# KiCad board nvme Carrier for LattePanda Mu.kicad_pcb (continued)
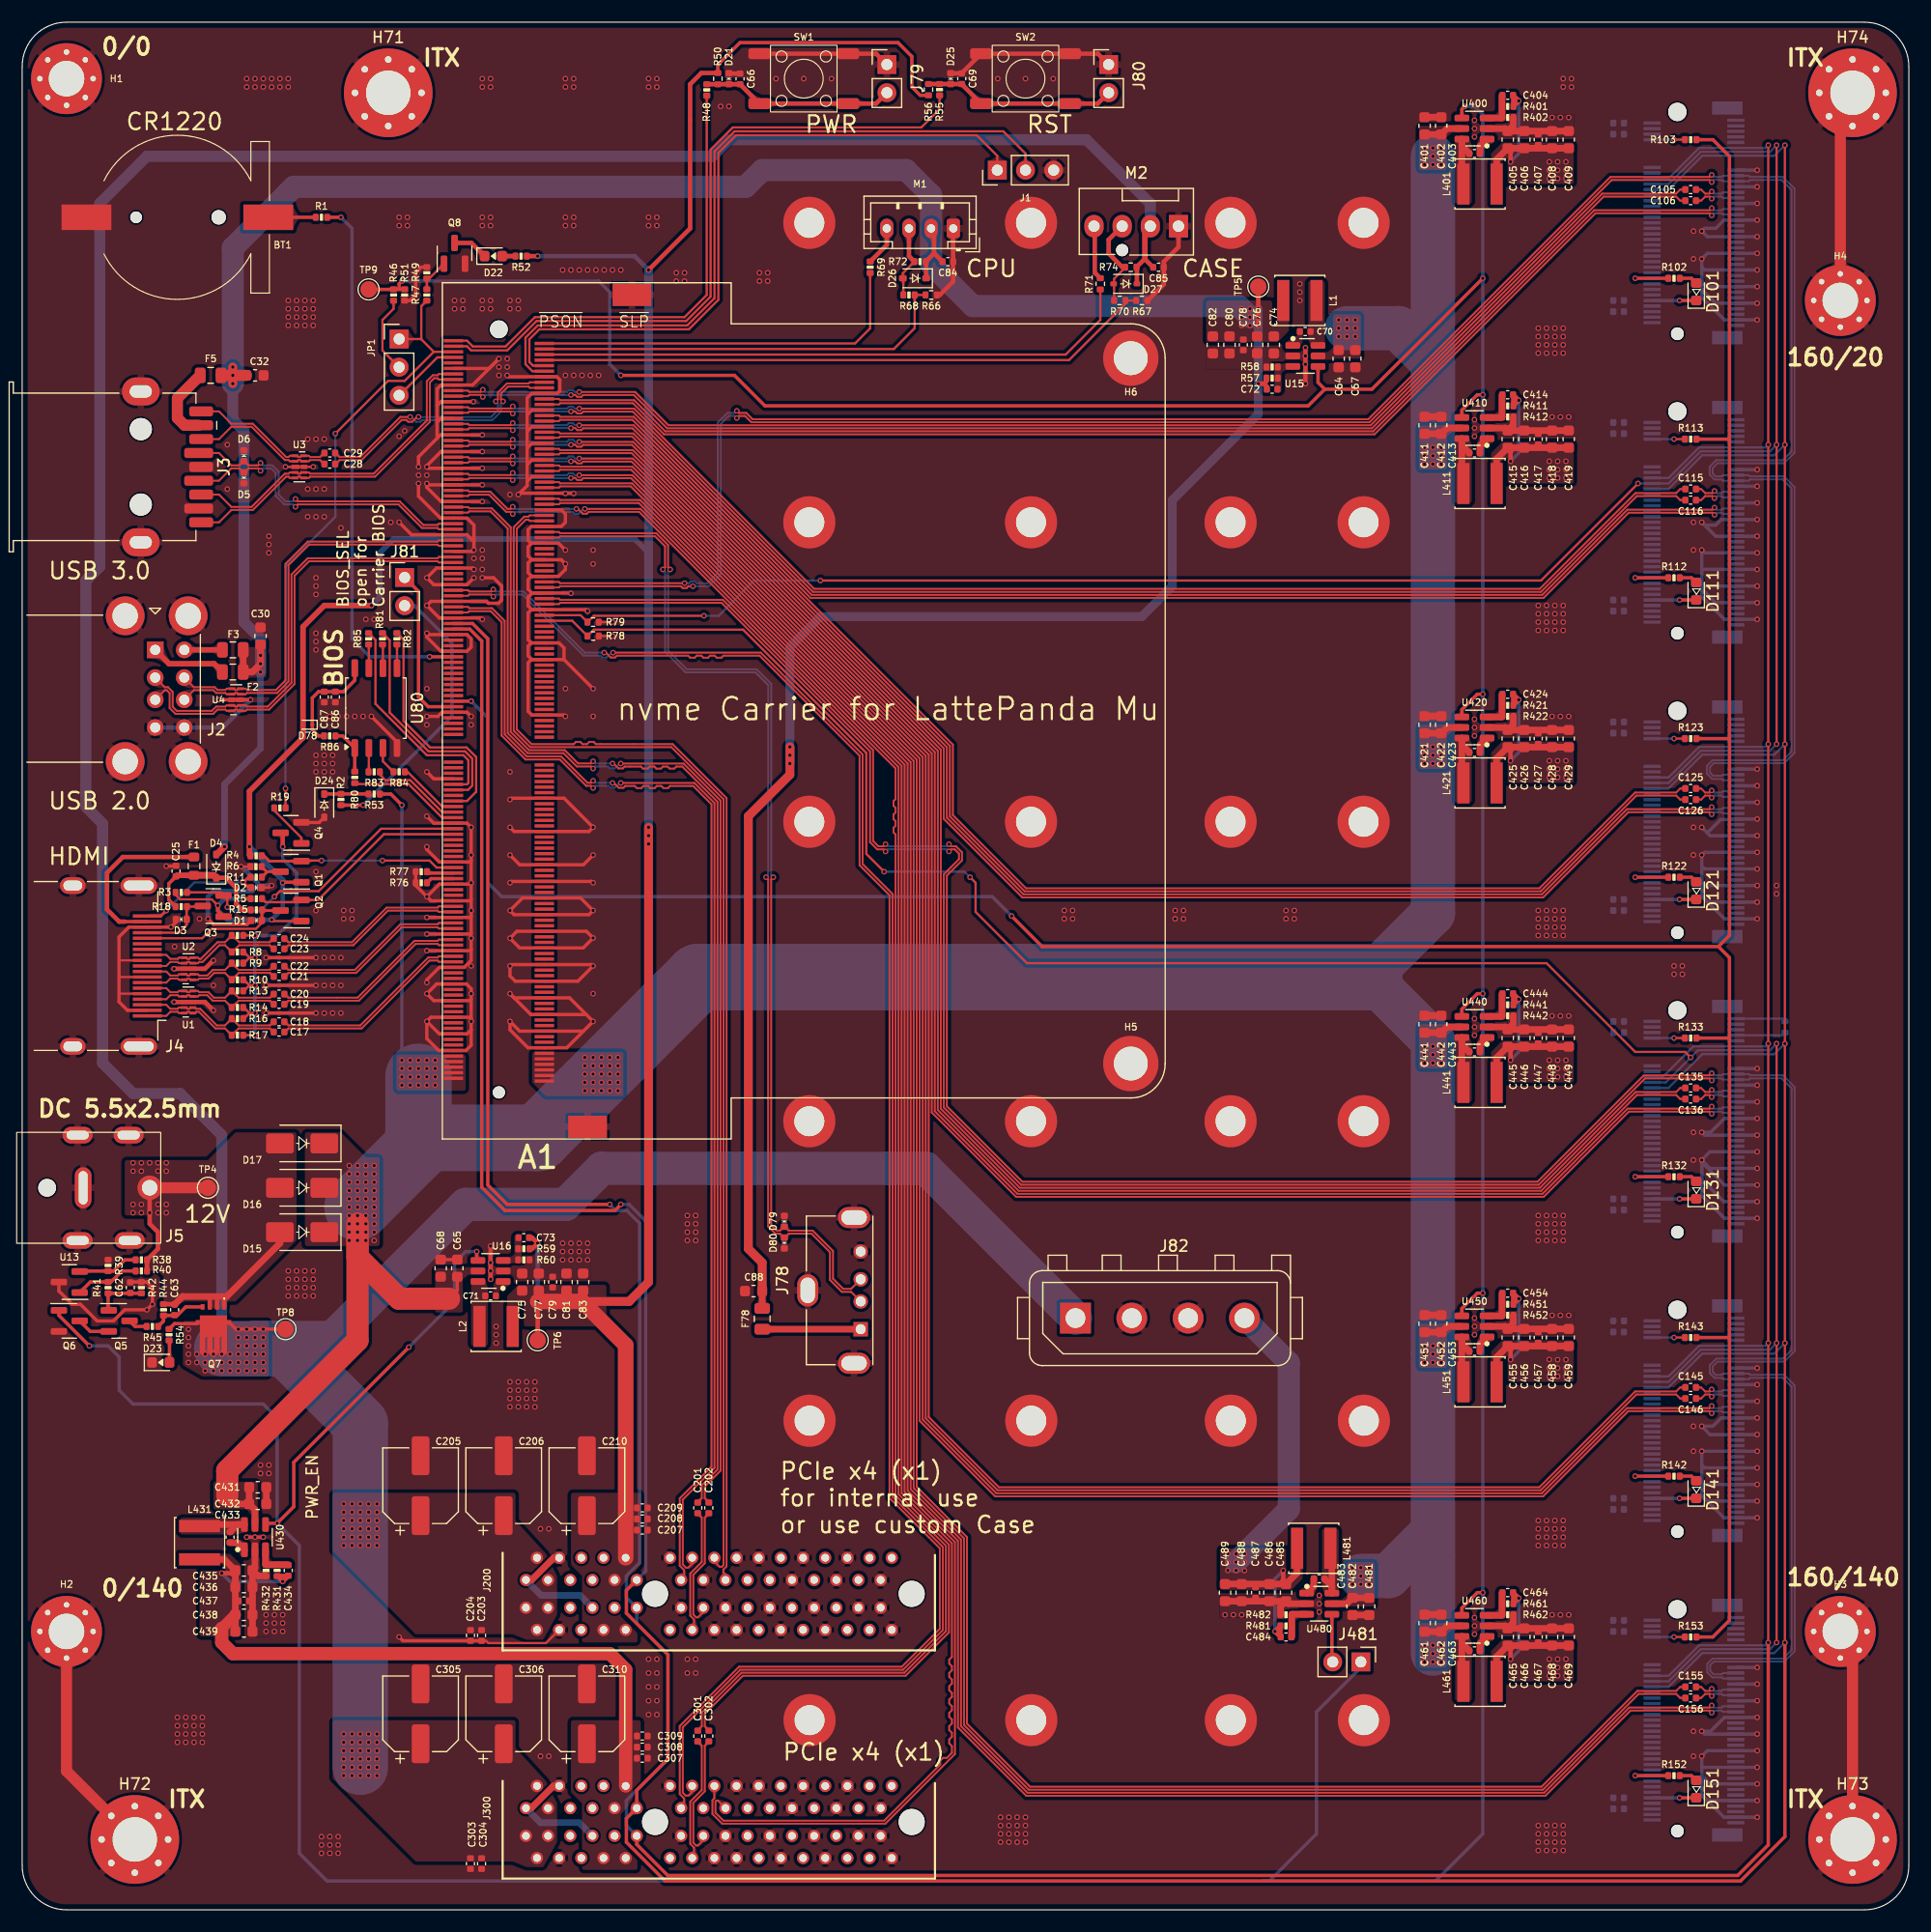
[diagram p0: board, top side]
## Placement (name value [footprint] x y rotation side) (continued)
M1  Fan_4pin  [JST_PH_B4B-PH-K_1x04_P2.00mm_Vertical]  83.99 151.6 180 top
M2  Fan_4pin  [FanPinHeader_1x04_P2.54mm_Vertical]  104.3 151.8 180 top
Q1  2N7002  [SOT-23]  24.25 93.6 180 top
Q2  2SK3018  [SOT-23]  24.25 90.1 180 top
Q3  2SK3018  [SOT-23]  17.23 90.51 180 top
Q4  2SK3018  [SOT-23]  24.25 97.1 180 top
Q5  2N7002  [SOT-23]  8.75 53.1 0 top
Q6  2N7002  [SOT-23]  4.25 53.1 0 top
Q7  NCE30P28Q  [MOSFET_PDFN8_3.3x3.3]  17.25 52.96 180 top
Q8  2N7002  [SOT-23]  39 149.35 90 top
R1  1K/1%  [R_0402_1005Metric]  27 152.6 180 top
R2  10K/1%  [R_0402_1005Metric]  28.75 100.11 90 top
R3  2.2K/1%  [R_0402_1005Metric]  14.35 91.74 0 top
R4  1M/1%  [R_0402_1005Metric]  21.1 95.03 0 top
R5  2.2K/1%  [R_0402_1005Metric]  21.12 91.17 0 top
R6  21.5K/1%  [R_0402_1005Metric]  21.09 94.06 180 top
R7  470R/1%  [R_0402_1005Metric]  19.42 87.86 0 top
R8  470R/1%  [R_0402_1005Metric]  19.42 86.36 0 top
R9  470R/1%  [R_0402_1005Metric]  19.42 85.36 0 top
R10  470R/1%  [R_0402_1005Metric]  19.42 83.86 0 top
R11  1K/1%  [R_0402_1005Metric]  21.11 93.11 180 top
R13  470R/1%  [R_0402_1005Metric]  19.42 82.86 0 top
R14  470R/1%  [R_0402_1005Metric]  19.42 81.36 0 top
R15  2.2K/1%  [R_0402_1005Metric]  21.13 90.16 0 top
R16  470R/1%  [R_0402_1005Metric]  19.42 80.36 0 top
R17  470R/1%  [R_0402_1005Metric]  19.42 78.86 0 top
R18  2.2K/1%  [R_0402_1005Metric]  14.35 90.45 0 top
R19  2.2K/1%  [R_0402_1005Metric]  23.25 99.35 180 top
R38  10K/1%  [R_0402_1005Metric]  10.75 58.6 0 top
R39  2.2K/1%  [R_0402_1005Metric]  7.75 58.1 270 top
R40  10K/1%  [R_0402_1005Metric]  10.75 57.6 0 top
R41  21.5K/1%  [R_0402_1005Metric]  7.75 56.1 90 top
R42  21.5K/1%  [R_0402_1005Metric]  10.75 56.1 270 top
R44  100K/1%  [R_0402_1005Metric]  12.75 54.1 90 top
R45  100K/1%  [R_0402_1005Metric]  11.75 52.6 0 top
R46  100R/1%  [R_0402_1005Metric]  33.5 145.6 90 top
R47  1K/1%  [R_0402_1005Metric]  36.5 145.6 90 top
R48  100R/1%  [R_0402_1005Metric]  61.75 164.09 270 top
R49  10K/1%  [R_0402_1005Metric]  36.5 147.6 270 top
R50  10K/1%  [R_0402_1005Metric]  62.75 165.1 90 top  (not fitted)
R51  100K/1%  [R_0402_1005Metric]  34.5 145.6 90 top
R52  2.2K/1%  [R_0402_1005Metric]  45 149.1 0 top
R53  2.2K/1%  [R_0402_1005Metric]  31.75 100.6 180 top
R54  21.5K/1%  [R_0402_1005Metric]  13.25 51.85 270 top
R55  100R/1%  [R_0402_1005Metric]  82.75 164.11 270 top
R56  10K/1%  [R_0402_1005Metric]  81.75 164.11 270 top  (not fitted)
R57  75K/1%  [R_0402_1005Metric]  112.75 138.1 180 top
R58  10K/1%  [R_0402_1005Metric]  112.75 139.1 0 top
R59  100K/1%  [R_0402_1005Metric]  45.25 59.6 0 top
R60  22K/1%  [R_0402_1005Metric]  45.25 58.6 180 top
R66  21.5K/1%  [R_0402_1005Metric]  81.99 145.6 0 top  (not fitted)
R67  21.5K/1%  [R_0402_1005Metric]  101 145.1 0 top
R68  21.5K/1%  [R_0402_1005Metric]  79.99 145.6 0 top
R69  100R/1%  [R_0402_1005Metric]  76.49 148.1 90 top
R70  21.5K/1%  [R_0402_1005Metric]  99 145.1 180 top
R71  100R/1%  [R_0402_1005Metric]  97.25 146.6 90 top
R72  4.7K/1%  [R_0402_1005Metric]  80.99 148.6 180 top
R74  4.7K/1%  [R_0402_1005Metric]  100 148.1 180 top
R76  100K/1%  [R_0402_1005Metric]  36 92.6 180 top
R77  100K/1%  [R_0402_1005Metric]  36 93.6 180 top
R78  10K/1%  [R_0402_1005Metric]  51.5 114.85 0 top  (not fitted)
R79  10K/1%  [R_0402_1005Metric]  51.5 116.1 0 top  (not fitted)
R80  0R  [R_0402_1005Metric]  30 102.1 90 top
R81  15R/1%  [R_0402_1005Metric]  32.5 114.6 270 top
R82  15R/1%  [R_0402_1005Metric]  33.8 114.6 270 top
R83  15R/1%  [R_0402_1005Metric]  31.75 102.6 180 top
R84  15R/1%  [R_0402_1005Metric]  34 102.6 180 top
R85  15R/1%  [R_0402_1005Metric]  31.25 114.6 270 top
R86  120K/1%  [R_0402_1005Metric]  27.74 105.84 0 top
R102  2.2K/1%  [R_0402_1005Metric]  149 147.1 180 top
R103  0R/1%  [R_0402_1005Metric]  150.5 159.6 0 top
R112  2.2K/1%  [R_0402_1005Metric]  149 120.1 180 top
R113  0R/1%  [R_0402_1005Metric]  150.5 132.6 0 top
R122  2.2K/1%  [R_0402_1005Metric]  149 93.1 180 top
R123  0R/1%  [R_0402_1005Metric]  150.5 105.6 0 top
R132  2.2K/1%  [R_0402_1005Metric]  149 66.1 180 top
R133  0R/1%  [R_0402_1005Metric]  150.5 78.6 0 top
R134  0R/1%  [R_0402_1005Metric]  159 79.6 90 bottom  (not fitted)
R142  2.2K/1%  [R_0402_1005Metric]  149 39.1 180 top
R143  0R/1%  [R_0402_1005Metric]  150.5 51.6 0 top
R152  2.2K/1%  [R_0402_1005Metric]  149 12.1 180 top
R153  0R/1%  [R_0402_1005Metric]  150.5 24.6 0 top
R401  100K/1%  [R_0402_1005Metric]  134 162.6 0 top
R402  22K/1%  [R_0402_1005Metric]  134 161.6 180 top
R411  100K/1%  [R_0402_1005Metric]  134 135.6 0 top
R412  22K/1%  [R_0402_1005Metric]  134 134.6 180 top
R421  100K/1%  [R_0402_1005Metric]  134 108.6 0 top
R422  22K/1%  [R_0402_1005Metric]  134 107.6 180 top
R431  100K/1%  [R_0402_1005Metric]  23 30.6 270 top
R432  22K/1%  [R_0402_1005Metric]  22 30.6 90 top
R441  100K/1%  [R_0402_1005Metric]  134 81.6 0 top
R442  22K/1%  [R_0402_1005Metric]  134 80.6 180 top
R451  100K/1%  [R_0402_1005Metric]  134 54.6 0 top
R452  22K/1%  [R_0402_1005Metric]  134 53.6 180 top
R461  100K/1%  [R_0402_1005Metric]  134 27.6 0 top
R462  22K/1%  [R_0402_1005Metric]  134 26.6 180 top
R481  75K/1%  [R_0402_1005Metric]  114 25.6 180 top
R482  10K/1%  [R_0402_1005Metric]  114 26.6 0 top
SW1  SW_Push  [SW_Push_6x6x6]  70.5 165.1 180 top
SW2  SW_Push  [SW_Push_6x6x6]  90.5 165.1 180 top
TP4  TestPoint  [TestPoint_Pad_D1.5mm]  16.75 65.1 0 top
TP5  TestPoint  [TestPoint_Pad_D1.5mm]  111.5 146.35 270 top
TP6  TestPoint  [TestPoint_Pad_D1.5mm]  46.5 51.35 90 top
TP8  TestPoint  [TestPoint_Pad_D1.5mm]  23.75 52.35 0 top
TP9  TestPoint  [TestPoint_Pad_D1.5mm]  31.25 146.1 0 top
U1  TPAZ1023-04F  [Diodes_UDFN-10_1.0x2.5mm_P0.5mm#2]  15 81.85 180 top
U2  TPAZ1023-04F  [Diodes_UDFN-10_1.0x2.5mm_P0.5mm#2]  15 84.85 180 top
U3  ULC0524P  [Diodes_UDFN-10_1.0x2.5mm_P0.5mm#2]  25 130.1 0 top
U4  ULC0524P  [Diodes_UDFN-10_1.0x2.5mm_P0.5mm]  19.3 109.1 180 top
U13  TL431DBZ  [SOT-23]  4.25 56.6 180 top
U15  SY8253ADC  [TSOT-23-6]  115.75 140.1 0 top
U16  SY8253ADC  [TSOT-23-6]  42.25 57.6 180 top
U80  W25Q128JVSIQ  [SOIC-8_5.23x5.23mm_P1.27mm]  31.9 108.35 90 top
U400  SY8253ADC  [TSOT-23-6]  131 160.6 180 top
U410  SY8253ADC  [TSOT-23-6]  131 133.6 180 top
U420  SY8253ADC  [TSOT-23-6]  131 106.6 180 top
U430  SY8253ADC  [TSOT-23-6]  21 33.6 90 top
U440  SY8253ADC  [TSOT-23-6]  131 79.6 180 top
U450  SY8253ADC  [TSOT-23-6]  131 52.6 180 top
U460  SY8253ADC  [TSOT-23-6]  131 25.6 180 top
U480  SY8253ADC  [TSOT-23-6]  117 27.6 0 top

## Library data of the parts
A1 = -: Datasheet: https://wmsc.lcsc.com/wmsc/upload/file/pdf/v2/lcsc/2012102315_LOTES-ADDR0069-P009A_C962126.pdf; Description: A micro computing module with x86 processer, RAM and eMMC.; Mfr.#: ADDR0069-P009A; ki_fp_filters: *LattePanda*
BT1 = -: Datasheet: https://content.harwin.com/m/8aa8c741728fa9cb/original/DRG-02355-Technical-Drawing-Datasheet-S8411R-pdf.pdf; Mfr.#: S8411-45R
C17-C25 C28 C29 C70 C71 C78 C79 C84 C85 C102 C104 C112 C114 C122 C124 C132 C134 C142 C144 C152 C154 C203 C204 C207 C209 C303 C304 C307 C309 C403 C407 C413 C417 C423 C427 C433 C437 C443 C447 C453 C457 C463 C467 C483 C487 = -: Datasheet: https://wmsc.lcsc.com/wmsc/upload/file/pdf/v2/lcsc/1809272047_Murata-Electronics-GRM155R71H104KE14D_C77020.pdf; SCH_Show_Footprint: C0402; Mfr.#: GRM155R71H104KE14D; ki_fp_filters: C_*
C30 C32 C64 C65 C67 C68 C74-C77 C80-C83 C88 C401 C402 C405 C406 C408 C409 C411 C412 C415 C416 C418 C419 C421 C422 C425 C426 C428 C429 C431 C432 C435 C436 C438 C439 C441 C442 C445 C446 C448 C449 C451 C452 C455 C456 C458 C459 C461 C462 C465 C466 C468 C469 C481 C482 C485 C486 C488 C489 = -: Datasheet: https://wmsc.lcsc.com/wmsc/upload/file/pdf/v2/lcsc/2304140030_Samsung-Electro-Mechanics-CL10A226MP8NUNE_C86295.pdf; SCH_Show_Footprint: C603; Mfr.#: CL10A226MP8NUNE; ki_fp_filters: C_*
C62 C63 C66 C69 = -: Datasheet: https://wmsc.lcsc.com/wmsc/upload/file/pdf/v2/lcsc/2304140030_Samsung-Electro-Mechanics-CL05A105KO5NNNC_C29266.pdf; SCH_Show_Footprint: C0402; Mfr.#: CL05A105KO5NNNC; ki_fp_filters: C_*
C72 C73 C404 C414 C424 C434 C444 C454 C464 C484 = -: SCH_Show_Footprint: C0402; ki_fp_filters: C_*
C86 = -: Datasheet: https://wmsc.lcsc.com/wmsc/upload/file/pdf/v2/lcsc/2309061403_Samsung-Electro-Mechanics-CL05A226MQ5QUNC_C105226.pdf; Description: Unpolarized capacitor; Mfr.#: CL05A226MQ5QUNC; ki_fp_filters: C_*
C87 = -: Datasheet: https://wmsc.lcsc.com/wmsc/upload/file/pdf/v2/lcsc/1811011928_Walsin-Tech-Corp-0402B104K160CT_C83056.pdf; Description: Unpolarized capacitor; Mfr.#: 0402B104K160CT; ki_fp_filters: C_*
C101 C103 C111 C113 C121 C123 C131 C133 C141 C143 C151 C153 C208 C308 = -: Datasheet: https://wmsc.lcsc.com/wmsc/upload/file/pdf/v2/lcsc/2312201433_Samsung-Electro-Mechanics-CL05A106MP5NUNC_C315248.pdf; SCH_Show_Footprint: C0402; Mfr.#: CL05A106MP5NUNC; ki_fp_filters: C_*
C105 C106 C115 C116 C125 C126 C135 C136 C145 C146 C155 C156 C201 C202 C301 C302 = -: Datasheet: https://wmsc.lcsc.com/wmsc/upload/file/pdf/v2/lcsc/2209081730_Murata-Electronics-GRM155R61H224KE01D_C5159775.pdf; SCH_Show_Footprint: C0402; Mfr.#: GRM155R61H224KE01D; ki_fp_filters: C_*
C205 C206 C305 C306 = -: Datasheet: https://wmsc.lcsc.com/wmsc/upload/file/pdf/v2/lcsc/2208310930_Capxon-International-Elec-PM101M025E077PTR_C2858382.pdf; SCH_Show_Footprint: C5x5.8; Mfr.#: PM101M025E077PTR; ki_fp_filters: CP_*
C210 C310 = -: Datasheet: https://my.mouser.com/datasheet/2/231/156315576075-1624351.pdf; SCH_Show_Footprint: C5x5.8; Mfr.#: VZT471M1ATR-0607; ki_fp_filters: CP_*
D1-D3 D5 D6 D21 D25 D79 D80 = -: Datasheet: https://wmsc.lcsc.com/wmsc/upload/file/pdf/v2/lcsc/2108131930_TECH-PUBLIC-ESD5V0B03-1006_C521894.pdf; SCH_Show_Footprint: D0402; Mfr.#: ESD5V0B03-1006; ki_fp_filters: D*SOD?923*
D4 D26 D27 = -: Datasheet: https://wmsc.lcsc.com/wmsc/upload/file/pdf/v2/lcsc/2204281430_Guangdong-Hottech-1N5819WS_C191023.pdf; SCH_Show_Footprint: SOD-323; ki_fp_filters: D*SOD?323*
D15-D17 = -: Datasheet: https://wmsc.lcsc.com/wmsc/upload/file/pdf/v2/lcsc/2205261600_FOSAN-SS54_C3014014.pdf; SCH_Show_Footprint: SMA; ki_fp_filters: TO-???* *_Diode_* *SingleDiode* D_*
D22 D23 D101 D111 D121 D131 D141 D151 = -: Datasheet: https://wmsc.lcsc.com/wmsc/upload/file/pdf/v2/lcsc/1912111437_Yongyu-Photoelectric-SZYY0603YG_C434423.pdf; SCH_Show_Footprint: LED0603; Mfr.#: SZYY0603YG; ki_fp_filters: LED* LED_SMD:* LED_THT:*
D24 = -: Datasheet: https://diotec.com/request/datasheet/mms3z2b4gw.pdf; Description: Schottky diode; Mfr.#: MMS3Z3B3GW; ki_fp_filters: TO-???* *_Diode_* *SingleDiode* D_*
D78 = -: Datasheet: https://wmsc.lcsc.com/wmsc/upload/file/pdf/v2/lcsc/2004100909_WILLSEMI-Will-Semicon-RB521C30-2-TR_C239637.pdf; Description: Schottky diode; Mfr.#: RB521C30-2/TR; ki_fp_filters: TO-???* *_Diode_* *SingleDiode* D_*
F1 = -: Datasheet: https://wmsc.lcsc.com/wmsc/upload/file/pdf/v2/lcsc/2401210605_LUTE-0603L050-6AR_C7472536.pdf; SCH_Show_Footprint: R0805; Mfr.#: 0603L050/6AR; ki_fp_filters: *Fuse*
F2 F3 F78 = -: Datasheet: https://wmsc.lcsc.com/wmsc/upload/file/pdf/v2/lcsc/2305121423_BHFUSE-BSMD0805-100-6V_C883112.pdf; SCH_Show_Footprint: R0603; Mfr.#: BSMD0805-100-6V; ki_fp_filters: *Fuse*
F5 = -: Datasheet: https://wmsc.lcsc.com/wmsc/upload/file/pdf/v2/lcsc/2305121425_BHFUSE-BSMD0805L-200_C2757931.pdf; SCH_Show_Footprint: R0805; Mfr.#: BSMD0805L-200; ki_fp_filters: *Fuse*
H1-H6 H71-H74 H1032 H1042 H1060 H1080 H1130 H1142 H1160 H1180 H1230 H1242 H1260 H1280 H1330 H1342 H1360 H1380 H1430 H1442 H1460 H1480 H1530 H1542 H1560 H1580 = -: ki_fp_filters: MountingHole*Pad*
J1 = -: Mfr.#: 2.54-1*3; ki_fp_filters: Connector*:*_1x??_*
J2 = -: Datasheet: https://www.mouser.de/datasheet/2/670/uj2_adh_th-1779175.pdf; Mfr.#: UJ2-ADH-W1-TH; ki_fp_filters: USB*
J3 = -: Datasheet: https://wmsc.lcsc.com/wmsc/upload/file/pdf/v2/lcsc/2306021057_Wurth-Elektronik-692122030100_C5355286.pdf; Description: USB 3.0 A connector; Mfr.#: 692122030100; ki_fp_filters: USB3*
J4 = -: Datasheet: https://www.molex.com/content/dam/molex/molex-dot-com/products/automated/en-us/salesdrawingpdf/208/208658/2086581001_sd.pdf; Mfr.#: 2086581001; ki_fp_filters: HDMI*A*
J5 = -: Datasheet: https://wmsc.lcsc.com/wmsc/upload/file/pdf/v2/lcsc/2309121405_SHOU-HAN-DC007B-2-5-J_C17701686.pdf; Mfr.#: DC007B-2.5-J; ki_fp_filters: BarrelJack*
J78 = -: Datasheet: https://www.molex.com/content/dam/molex/molex-dot-com/products/automated/en-us/salesdrawingpdf/105/105057/1050570001_sd.pdf; Description: USB Type A connector; Mfr.#: 1050570001; ki_fp_filters: USB*
J79-J81 J481 = -: Description: Generic connector, single row, 01x02, script generated; Mfr.#: 2.54-1*2; ki_fp_filters: Connector*:*_1x??_*
J82 = -: Datasheet: https://www.te.com/de/product-770997-1.datasheet.pdf; Description: Generic connector, single row, 01x04, script generated (kicad-library-utils/schlib/autogen/connector/); Mfr.#: 770997-1; ki_fp_filters: Connector*:*_1x??_*
J100 J110 J120 J130 J140 J150 = -: Datasheet: https://www.te.com/de/product-1-2199230-5.datasheet.pdf; Mfr.#: 1-2199230-5; ki_fp_filters: *M*2*M*
J200 J300 = -: Datasheet: https://wmsc.lcsc.com/wmsc/upload/file/pdf/v2/lcsc/2201121330_LOTES-AAA-PCI-161-K03_C2926855.pdf; Mfr.#: AAA-PCI-161-K03; ki_fp_filters: *PCIexpress*
JP1 = -: Mfr.#: 2.54-1*3; ki_fp_filters: Jumper* TestPoint*3Pads* TestPoint*Bridge*
L1 L2 L401 L411 L421 L431 L441 L451 L461 L481 = -: Datasheet: https://wmsc.lcsc.com/wmsc/upload/file/pdf/v2/lcsc/2310251551_Sunlord-WPN4020H2R2MT_C98361.pdf; Mfr.#: WPN4020H2R2MT; ki_fp_filters: Choke_* *Coil* Inductor_* L_*
M1 = -: Datasheet: https://wmsc.lcsc.com/wmsc/upload/file/pdf/v2/lcsc/2007221005_JST-B4B-PH-K-S-GW_C566011.pdf; Mfr.#: B4B-PH-K-S-GW; ki_fp_filters: FanPinHeader*P2.54mm*Vertical* PinHeader*P2.54mm*Vertical* TerminalBlock*
M2 = -: Datasheet: https://wmsc.lcsc.com/wmsc/upload/file/pdf/v2/lcsc/1811051309_MOLEX-470531000_C240840.pdf; Mfr.#: 470531000; ki_fp_filters: FanPinHeader*P2.54mm*Vertical* PinHeader*P2.54mm*Vertical* TerminalBlock*
Q1 Q5 Q6 Q8 = -: Datasheet: https://www.onsemi.com/pub/Collateral/NDS7002A-D.PDF; Mfr.#: NDS7002A; ki_fp_filters: SOT?23*
Q2-Q4 = -: Datasheet: https://www.onsemi.com/pub/Collateral/NDS7002A-D.PDF; ki_fp_filters: SOT?23*
Q7 = -: Datasheet: https://wmsc.lcsc.com/wmsc/upload/file/pdf/v2/lcsc/2009111637_Wuxi-NCE-Power-Semiconductor-NCE30P28Q_C502815.pdf
R1 R11 R47 = -: Datasheet: https://wmsc.lcsc.com/wmsc/upload/file/pdf/v2/lcsc/2304140030_YAGEO-RC0402FR-071KL_C106235.pdf; Mfr.#: RC0402FR-071KL; ki_fp_filters: R_*
R2 R38 R40 R49 R58 R482 = -: Datasheet: https://wmsc.lcsc.com/wmsc/upload/file/pdf/v2/lcsc/2304140030_YAGEO-RC0402FR-0710KL_C60490.pdf; Mfr.#: RC0402FR-0710KL; ki_fp_filters: R_*
R3 R5 R15 R18 R19 R39 R52 R53 R102 R112 R122 R132 R142 R152 = -: Datasheet: https://wmsc.lcsc.com/wmsc/upload/file/pdf/v2/lcsc/2304140030_YAGEO-RC0402FR-072K2L_C114762.pdf; Mfr.#: RC0402FR-072K2L; ki_fp_filters: R_*
R4 = -: Datasheet: https://wmsc.lcsc.com/wmsc/upload/file/pdf/v2/lcsc/2304140030_YAGEO-RC0402FR-071ML_C138033.pdf; Mfr.#: RC0402FR-071ML; ki_fp_filters: R_*
R6 R41 R42 R54 R67 R68 R70 = -: Datasheet: https://wmsc.lcsc.com/wmsc/upload/file/pdf/v2/lcsc/2304140030_YAGEO-RC0402FR-0721K5L_C185442.pdf; Mfr.#: RC0402FR-0721K5L; ki_fp_filters: R_*
R7-R10 R13 R14 R16 R17 = -: Datasheet: https://wmsc.lcsc.com/wmsc/upload/file/pdf/v2/lcsc/2304140030_YAGEO-RC0402FR-07470RL_C114877.pdf; Mfr.#: RC0402FR-07470RL; ki_fp_filters: R_*
R44 R45 R51 R59 R76 R77 R401 R411 R421 R431 R441 R451 R461 = -: Datasheet: https://wmsc.lcsc.com/wmsc/upload/file/pdf/v2/lcsc/2304140030_YAGEO-RC0402FR-07100KL_C60491.pdf; Mfr.#: RC0402FR-07100KL; ki_fp_filters: R_*
R46 R48 R55 R69 R71 = -: Datasheet: https://wmsc.lcsc.com/wmsc/upload/file/pdf/v2/lcsc/2304140030_YAGEO-RC0402FR-07100RL_C106232.pdf; Mfr.#: RC0402FR-07100RL; ki_fp_filters: R_*
R50 R56 R66 R134 = -: ki_fp_filters: R_*
R57 R481 = -: Datasheet: https://wmsc.lcsc.com/wmsc/upload/file/pdf/v2/lcsc/2304140030_YAGEO-RC0402FR-0775KL_C137935.pdf; Mfr.#: RC0402FR-0775KL; ki_fp_filters: R_*
R60 R402 R412 R422 R432 R442 R452 R462 = -: Datasheet: https://wmsc.lcsc.com/wmsc/upload/file/pdf/v2/lcsc/2304140030_YAGEO-RC0402FR-0722KL_C82868.pdf; Mfr.#: RC0402FR-0722KL; ki_fp_filters: R_*
R72 R74 = -: Datasheet: https://wmsc.lcsc.com/wmsc/upload/file/pdf/v2/lcsc/2304140030_YAGEO-RC0402FR-074K7L_C105871.pdf; Mfr.#: RC0402FR-074K7L; ki_fp_filters: R_*
R78 R79 = -: Description: Resistor; ki_fp_filters: R_*
R80 = -: Datasheet: https://wmsc.lcsc.com/wmsc/upload/file/pdf/v2/lcsc/2304140030_TyoHM-RMC-0402-0R-N_C325377.pdf; Description: Resistor; Mfr.#: RMC 0402 0R N; ki_fp_filters: R_*
R81-R85 = -: Datasheet: https://wmsc.lcsc.com/wmsc/upload/file/pdf/v2/lcsc/2304140030_YAGEO-RC0402FR-0715RL_C138052.pdf; Description: Resistor; Mfr.#: RC0402FR-0715RL; ki_fp_filters: R_*
R86 = -: Datasheet: https://wmsc.lcsc.com/wmsc/upload/file/pdf/v2/lcsc/2304140030_YAGEO-RC0402FR-07120KL_C93945.pdf; Description: Resistor; Mfr.#: RC0402FR-07120KL; ki_fp_filters: R_*
R103 R113 R123 R133 R143 R153 = -: Datasheet: https://wmsc.lcsc.com/wmsc/upload/file/pdf/v2/lcsc/2304140030_TyoHM-RMC-0402-0R-N_C325377.pdf; Mfr.#: RMC 0402 0R N; ki_fp_filters: R_*
SW1 SW2 = -: Datasheet: https://wmsc.lcsc.com/wmsc/upload/file/pdf/v2/lcsc/2304140030_Korean-Hroparts-Elec-K2-1102SP-E3SC-04_C2685894.pdf; Mfr.#: K2-1102SP-E3SC-04
TP4-TP6 TP8 TP9 = -: Description: test point; ki_fp_filters: Pin* Test*
U1-U4 = -: Datasheet: https://www.diodes.com/assets/Datasheets/D3V3XA4B10LP.pdf; ki_fp_filters: Diodes*UDFN*1.0x2.5mm*P0.5mm*
U13 = -: Datasheet: http://www.ti.com/lit/ds/symlink/tl431.pdf; ki_fp_filters: SOT?23*
U15 U16 U400 U410 U420 U430 U440 U450 U460 U480 = -: Datasheet: https://atta.szlcsc.com/upload/public/pdf/source/20180625/C93736_E75EC6FD4320D65590D2D5BF0D8B8959.pdf; ki_fp_filters: TSOT?23*
U80 = -: Datasheet: https://wmsc.lcsc.com/wmsc/upload/file/pdf/v2/lcsc/1811142111_Winbond-Elec-W25Q128JVSIQ_C97521.pdf; Description: 128Mb Serial Flash Memory, Standard/Dual/Quad SPI, SOIC-8; ki_fp_filters: SOIC*5.23x5.23mm*P1.27mm*

## Footprints (pads in the part's own frame, mm; a bottom-side part is the same pattern mirrored in y, then rotated)
Battery_Holder_CR1220_S8411-45R
  round 1.05 hole 1.05 unplated: (0,3.725)
  round 1.3 hole 1.3 unplated: (0,-3.725)
  rect 2.3x4.5 smd: 1(0,-8.2) 2(0,8.2)
C_0402_1005Metric
  rrect 0.56x0.62 smd: 1(-0.48,0) 2(0.48,0)
C_0603_1608Metric
  rrect 0.9x0.95 smd: 1(-0.775,0) 2(0.775,0)
CP_Elec_6.3x7.7
  rrect 3.5x1.6 smd: 1(-2.7,0) 2(2.7,0)
D_0402_1005Metric
  rrect 0.59x0.64 smd: 1(-0.485,0) 2(0.485,0)
D_SMA
  rrect 2.5x1.8 smd: 1(-2,0) 2(2,0)
D_SOD-323
  rrect 0.7x0.55 smd: 1(-1.05,0) 2(1.05,0)
D_SOD-323#2
  rrect 0.6x0.45 smd: 1(-1.05,0) 2(1.05,0)
D_SOD-923
  rrect 0.36x0.25 smd: 1(-0.42,0) 2(0.42,0)
DC_Jack_DC007B_30V_10A
  round 1.6 hole 1.6 unplated: (0,-2.75)
  round 2.2 hole 1.4: 1(0,-12)
  oval 3.7x1.5 hole 3x0.8: 2(0,-6)
  oval 1.5x2.7 hole 0.8x2: 3(-4.75,-5.5) 3(-4.75,-10.2) 3(4.75,-5.5) 3(4.75,-10.1)
Diodes_UDFN-10_1.0x2.5mm_P0.5mm
  rect 0.625x0.25 smd: 1(-0.388,1) 2(-0.388,0.5) 4(-0.388,-0.5) 5(-0.388,-1) 6(0.388,-1) 7(0.388,-0.5) 9(0.388,0.5) 10(0.388,1)
  rect 0.7x0.45 smd: 3(-0.35,0)
  rect 0.575x0.45 smd: 8(0.412,0)
Diodes_UDFN-10_1.0x2.5mm_P0.5mm#2
  rect 0.625x0.25 smd: 1(-0.388,1) 2(-0.388,0.5) 4(-0.388,-0.5) 5(-0.388,-1) 6(0.388,-1) 7(0.388,-0.5) 9(0.388,0.5) 10(0.388,1)
  rect 0.7x0.4 smd: 3(-0.35,0)
  rect 0.575x0.4 smd: 8(0.412,0)
FanPinHeader_1x04_P2.54mm_Vertical
  round 1.1 hole 1.1 unplated: (5.08,2.16)
  rect 1.73x2.03 hole 1.02: 1(0,0)
  oval 1.73x2.03 hole 1.02: 2(2.54,0) 3(5.08,0) 4(7.62,0)
Fuse_0805_2012Metric
  rrect 0.975x1.4 smd: 1(-0.938,0) 2(0.938,0)
HDMI_A_Molex_208658-1001_Horizontal
  rect 2.6x0.3 smd: 1(-3.285,4.5) 2(-3.285,4) 3(-3.285,3.5) 4(-3.285,3) 5(-3.285,2.5) 6(-3.285,2) 7(-3.285,1.5) 8(-3.285,1) 9(-3.285,0.5) 10(-3.285,0) 11(-3.285,-0.5) 12(-3.285,-1) 13(-3.285,-1.5) 14(-3.285,-2) 15(-3.285,-2.5) 16(-3.285,-3) 17(-3.285,-3.5) 18(-3.285,-4) 19(-3.285,-4.5)
  oval 3.3x1.5 hole 2.7x0.9: SH(-2.525,7.25) SH(-2.525,-7.25)
  oval 2.3x1.5 hole 1.7x0.9: SH(3.435,7.25) SH(3.435,-7.25)
JST_PH_B4B-PH-K_1x04_P2.00mm_Vertical
  rrect 1.2x1.75 hole 0.75: 1(0,0)
  oval 1.2x1.75 hole 0.75: 2(2,0) 3(4,0) 4(6,0)
L_Sunlord_SWPA4020S
  rect 1.1x3.7 smd: 1(-1.5,0) 2(1.5,0)
LattePanda_Module_H8.0mm_Horizontal
  round 1.1 hole 1.1 unplated: (-34.4,0)
  round 1.6 hole 1.6 unplated: (34.4,0)
  rect 0.3x1.75 smd: 1(33.375,4.1) 2(33.125,-4.1) 3(32.875,4.1) 4(32.625,-4.1) 5(32.375,4.1) 6(32.125,-4.1) 7(31.875,4.1) 8(31.625,-4.1) 9(31.375,4.1) 10(31.125,-4.1) 11(30.875,4.1) 12(30.625,-4.1) 13(30.375,4.1) 14(30.125,-4.1) 15(29.875,4.1) 16(29.625,-4.1) 17(29.375,4.1) 18(29.125,-4.1) 19(28.875,4.1) 20(28.625,-4.1) 21(28.375,4.1) 22(28.125,-4.1) 23(27.875,4.1) 24(27.625,-4.1) 25(27.375,4.1) 26(27.125,-4.1) 27(26.875,4.1) 28(26.625,-4.1) 29(26.375,4.1) 30(26.125,-4.1) 31(25.875,4.1) 32(25.625,-4.1) 33(25.375,4.1) 34(25.125,-4.1) 35(24.875,4.1) 36(24.625,-4.1) 37(24.375,4.1) 38(24.125,-4.1) 39(23.875,4.1) 40(23.625,-4.1) 41(23.375,4.1) 42(23.125,-4.1) 43(22.875,4.1) 44(22.625,-4.1) 45(22.375,4.1) 46(22.125,-4.1) 47(21.875,4.1) 48(21.625,-4.1) 49(21.375,4.1) 50(21.125,-4.1) 51(20.875,4.1) 52(20.625,-4.1) 53(20.375,4.1) 54(20.125,-4.1) 55(19.875,4.1) 56(19.625,-4.1) 57(19.375,4.1) 58(19.125,-4.1) 59(18.875,4.1) 60(18.625,-4.1) 61(18.375,4.1) 62(18.125,-4.1) 63(17.875,4.1) 64(17.625,-4.1) 65(17.375,4.1) 66(17.125,-4.1) 67(16.875,4.1) 68(16.625,-4.1) 69(16.375,4.1) 70(16.125,-4.1) 71(15.875,4.1) 72(15.625,-4.1) 73(15.375,4.1) 74(15.125,-4.1) 75(14.875,4.1) 76(14.625,-4.1) 77(14.375,4.1) 78(14.125,-4.1) 79(13.875,4.1) 80(13.625,-4.1) 81(13.375,4.1) 82(13.125,-4.1) 83(12.875,4.1) 84(12.625,-4.1) 85(12.375,4.1) 86(12.125,-4.1) 87(11.875,4.1) 88(11.625,-4.1) 89(11.375,4.1) 90(11.125,-4.1) 91(10.875,4.1) 92(10.625,-4.1) 93(10.375,4.1) 94(10.125,-4.1) 95(9.875,4.1) 96(9.625,-4.1) 97(9.375,4.1) 98(9.125,-4.1) 99(8.875,4.1) 100(8.625,-4.1) 101(8.375,4.1) 102(8.125,-4.1) 103(7.875,4.1) 104(7.625,-4.1) 105(7.375,4.1) 106(7.125,-4.1) 107(6.875,4.1) 108(6.625,-4.1) 109(6.375,4.1) 110(6.125,-4.1) 111(5.875,4.1) 112(5.625,-4.1) 113(5.375,4.1) 114(5.125,-4.1) 115(4.875,4.1) 116(4.625,-4.1) 117(4.375,4.1) 118(4.125,-4.1) 119(3.875,4.1) 120(3.625,-4.1) 121(3.375,4.1) 122(3.125,-4.1) 123(2.875,4.1) 124(2.625,-4.1) 125(2.375,4.1) 126(2.125,-4.1) 127(1.875,4.1) 128(1.625,-4.1) 129(1.375,4.1) 130(1.125,-4.1) 131(0.875,4.1) 132(0.625,-4.1) 133(0.375,4.1) 134(0.125,-4.1) 135(-0.125,4.1) 136(-0.375,-4.1) 137(-0.625,4.1) 138(-0.875,-4.1) 139(-1.125,4.1) 140(-1.375,-4.1) 141(-1.625,4.1) 142(-1.875,-4.1) 143(-2.125,4.1) 144(-2.375,-4.1) 145(-4.625,4.1) 146(-4.875,-4.1) 147(-5.125,4.1) 148(-5.375,-4.1) 149(-5.625,4.1) 150(-5.875,-4.1) 151(-6.125,4.1) 152(-6.375,-4.1) 153(-6.625,4.1) 154(-6.875,-4.1) 155(-7.125,4.1) 156(-7.375,-4.1) 157(-7.625,4.1) 158(-7.875,-4.1) 159(-8.125,4.1) 160(-8.375,-4.1) 161(-8.625,4.1) 162(-8.875,-4.1) 163(-9.125,4.1) 164(-9.375,-4.1) 165(-9.625,4.1) 166(-9.875,-4.1) 167(-10.125,4.1) 168(-10.375,-4.1) 169(-10.625,4.1) 170(-10.875,-4.1) 171(-11.125,4.1) 172(-11.375,-4.1) 173(-11.625,4.1) 174(-11.875,-4.1) 175(-12.125,4.1) 176(-12.375,-4.1) 177(-12.625,4.1) 178(-12.875,-4.1) 179(-13.125,4.1) 180(-13.375,-4.1) 181(-13.625,4.1) 182(-13.875,-4.1) 183(-14.125,4.1) 184(-14.375,-4.1) 185(-14.625,4.1) 186(-14.875,-4.1) 187(-15.125,4.1) 188(-15.375,-4.1) 189(-15.625,4.1) 190(-15.875,-4.1) 191(-16.125,4.1) 192(-16.375,-4.1) 193(-16.625,4.1) 194(-16.875,-4.1) 195(-17.125,4.1) 196(-17.375,-4.1) 197(-17.625,4.1) 198(-17.875,-4.1) 199(-18.125,4.1) 200(-18.375,-4.1) 201(-18.625,4.1) 202(-18.875,-4.1) 203(-19.125,4.1) 204(-19.375,-4.1) 205(-19.625,4.1) 206(-19.875,-4.1) 207(-20.125,4.1) 208(-20.375,-4.1) 209(-20.625,4.1) 210(-20.875,-4.1) 211(-21.125,4.1) 212(-21.375,-4.1) 213(-21.625,4.1) 214(-21.875,-4.1) 215(-22.125,4.1) 216(-22.375,-4.1) 217(-22.625,4.1) 218(-22.875,-4.1) 219(-23.125,4.1) 220(-23.375,-4.1) 221(-23.625,4.1) 222(-23.875,-4.1) 223(-24.125,4.1) 224(-24.375,-4.1) 225(-24.625,4.1) 226(-24.875,-4.1) 227(-25.125,4.1) 228(-25.375,-4.1) 229(-25.625,4.1) 230(-25.875,-4.1) 231(-26.125,4.1) 232(-26.375,-4.1) 233(-26.625,4.1) 234(-26.875,-4.1) 235(-27.125,4.1) 236(-27.375,-4.1) 237(-27.625,4.1) 238(-27.875,-4.1) 239(-28.125,4.1) 240(-28.375,-4.1) 241(-28.625,4.1) 242(-28.875,-4.1) 243(-29.125,4.1) 244(-29.375,-4.1) 245(-29.625,4.1) 246(-29.875,-4.1) 247(-30.125,4.1) 248(-30.375,-4.1) 249(-30.625,4.1) 250(-30.875,-4.1) 251(-31.125,4.1) 252(-31.375,-4.1) 253(-31.625,4.1) 254(-31.875,-4.1) 255(-32.125,4.1) 256(-32.375,-4.1) 257(-32.625,4.1) 258(-32.875,-4.1) 259(-33.125,4.1) 260(-33.375,-4.1)
  rect 2x3.5 smd: MP(-37.5,-8) MP(37.5,-12)
LED_0603_1608Metric
  rrect 0.875x0.95 smd: 1(-0.787,0) 2(0.787,0)
MOSFET_PDFN8_3.3x3.3
  rect 0.35x0.5 smd: 1(-0.975,-1.4) 2(-0.325,-1.4) 3(0.325,-1.4) 4(0.975,-1.4)
  rect 0.4x0.3 smd: 5(0.975,1.5) 6(0.325,1.5) 7(-0.325,1.5) 8(-0.975,1.5)
  rect 2.45x1.98 smd: 9(0,0.36)
  rect 0.38x0.43 smd: 10(1.415,0) 11(-1.415,0)
MountingHole_2.7mm_M2.5_DIN965_Pad_TopBottom
  round 3.1 hole 2.7: 1(0,0)
  round 4.7 smd far side: 1(0,0)
  round 4.7 smd: 1(0,0)
MountingHole_3.2mm_M3_Pad_Via
  round 0.8 hole 0.5: 1(-2.4,0) 1(-1.697,1.697) 1(-1.697,-1.697) 1(0,2.4) 1(0,-2.4) 1(1.697,1.697) 1(1.697,-1.697) 1(2.4,0)
  round 6.4 hole 3.2: 1(0,0)
MountingHole_3mm_M2_Pad_TopOnly
  round 3.2 hole 3.05: 1(0,0)
  round 5 smd: 1(0,0)
MountingHole_4mm_Pad_Via
  round 0.9 hole 0.6: 1(-3,0) 1(-2.121,2.121) 1(-2.121,-2.121) 1(0,3) 1(0,-3) 1(2.121,2.121) 1(2.121,-2.121) 1(3,0)
  round 8 hole 4: 1(0,0)
PCIe_M.2_Connectors_P=0.5mm_H=4.2mm_KeyM
  round 1.15 hole 1.15 unplated: (-10,-1.7)
  round 1.65 hole 1.65 unplated: (10,-1.7)
  rect 0.3x1.55 smd: 1(-9.25,3.575) 2(-9,-3.975) 3(-8.75,3.575) 4(-8.5,-3.975) 5(-8.25,3.575) 6(-8,-3.975) 7(-7.75,3.575) 8(-7.5,-3.975) 9(-7.25,3.575) 10(-7,-3.975) 11(-6.75,3.575) 12(-6.5,-3.975) 13(-6.25,3.575) 14(-6,-3.975) 15(-5.75,3.575) 16(-5.5,-3.975) 17(-5.25,3.575) 18(-5,-3.975) 19(-4.75,3.575) 20(-4.5,-3.975) 21(-4.25,3.575) 22(-4,-3.975) 23(-3.75,3.575) 24(-3.5,-3.975) 25(-3.25,3.575) 26(-3,-3.975) 27(-2.75,3.575) 28(-2.5,-3.975) 29(-2.25,3.575) 30(-2,-3.975) 31(-1.75,3.575) 32(-1.5,-3.975) 33(-1.25,3.575) 34(-1,-3.975) 35(-0.75,3.575) 36(-0.5,-3.975) 37(-0.25,3.575) 38(0,-3.975) 39(0.25,3.575) 40(0.5,-3.975) 41(0.75,3.575) 42(1,-3.975) 43(1.25,3.575) 44(1.5,-3.975) 45(1.75,3.575) 46(2,-3.975) 47(2.25,3.575) 48(2.5,-3.975) 49(2.75,3.575) 50(3,-3.975) 51(3.25,3.575) 52(3.5,-3.975) 53(3.75,3.575) 54(4,-3.975) 55(4.25,3.575) 56(4.5,-3.975) 57(4.75,3.575) 58(5,-3.975) 67(7.25,3.575) 68(7.5,-3.975) 69(7.75,3.575) 70(8,-3.975) 71(8.25,3.575) 72(8.5,-3.975) 73(8.75,3.575) 74(9,-3.975) 75(9.25,3.575)
  rect 1.2x2.75 smd: MP1(-10.35,2.8) MP2(10.35,2.8)
PCIe_x4_Gen3Slot_Connectors
  round 2.35 hole 2.35 unplated: (11.65,-1.25) (34.8,-1.25)
  round 1.1 hole 0.7: A1(0,0) A2(1,2) A3(2,0) A4(3,2) A5(4,0) A6(5,2) A7(6,0) A8(7,2) A9(8,0) A10(9,2) A11(10,0) A12(13,2) A13(14,0) A14(15,2) A15(16,0) A16(17,2) A17(18,0) A18(19,2) A19(20,0) A20(21,2) A21(22,0) A22(23,2) A23(24,0) A24(25,2) A25(26,0) A26(27,2) A27(28,0) A28(29,2) A29(30,0) A30(31,2) A31(32,0) A32(33,2) B1(0,-2.5) B2(1,-4.5) B3(2,-2.5) B4(3,-4.5) B5(4,-2.5) B6(5,-4.5) B7(6,-2.5) B8(7,-4.5) B9(8,-2.5) B10(9,-4.5) B11(10,-2.5) B12(13,-4.5) B13(14,-2.5) B14(15,-4.5) B15(16,-2.5) B16(17,-4.5) B17(18,-2.5) B18(19,-4.5) B19(20,-2.5) B20(21,-4.5) B21(22,-2.5) B22(23,-4.5) B23(24,-2.5) B24(25,-4.5) B25(26,-2.5) B26(27,-4.5) B27(28,-2.5) B28(29,-4.5) B29(30,-2.5) B30(31,-4.5) B31(32,-2.5) B32(33,-4.5)
PinHeader_1x02_P2.54mm_Vertical
  rect 1.7x1.7 hole 1: 1(0,0)
  oval 1.7x1.7 hole 1: 2(0,-2.54)
PinHeader_1x03_P2.54mm_Vertical
  rect 1.7x1.7 hole 1: 1(0,0)
  oval 1.7x1.7 hole 1: 2(0,-2.54) 3(0,-5.08)
R_0402_1005Metric
  rrect 0.54x0.64 smd: 1(-0.51,0) 2(0.51,0)
R_0603_1608Metric
  rrect 0.8x0.95 smd: 1(-0.825,0) 2(0.825,0)
SOIC-8_5.23x5.23mm_P1.27mm
  rrect 1.6x0.6 smd: 1(-3.6,1.905) 2(-3.6,0.635) 3(-3.6,-0.635) 4(-3.6,-1.905) 5(3.6,-1.905) 6(3.6,-0.635) 7(3.6,0.635) 8(3.6,1.905)
SOT-23
  rrect 1.475x0.6 smd: 1(-0.938,0.95) 2(-0.938,-0.95) 3(0.938,0)
SW_Push_6x6x6
  rrect 2x1 smd: 1(-4,2.25) 1(4,2.25) 2(-4,-2.25) 2(4,-2.25)
TE_MATE-N-LOK_350211-1_1x04_P5.08mm_Vertical
  rect 2.78x2.78 hole 1.78: 1(0,0)
  round 2.78 hole 1.78: 2(5.08,0) 3(10.16,0) 4(15.24,0)
TestPoint_Pad_D1.5mm
  round 1.5 smd: 1(0,0)
TSOT-23-6
  rrect 1.325x0.6 smd: 1(-1.137,0.95) 2(-1.137,0) 3(-1.137,-0.95) 4(1.137,-0.95) 5(1.137,0) 6(1.137,0.95)
USB3_A_Receptacle_Wuerth_692122030100
  round 2 hole 2 unplated: (-3.4,3.45) (3.4,3.45)
  rrect 0.9x2.6 smd: 1(-3.75,8.67) 2(-1.25,8.67) 3(1.25,8.67) 4(3.75,8.67)
  rrect 0.9x2.15 smd: 5(5,8.895) 6(2.5,8.895) 7(0,8.895) 8(-2.5,8.895) 9(-5,8.895)
  oval 2.52x3.4 hole 1.12x2: 10(-6.8,3.45) 10(6.8,3.45)
USB_A_CUI_UJ2-ADH-TH_Horizontal_Stacked
  rect 1.5x1.5 hole 0.92: 1(0,0)
  round 1.5 hole 0.92: 2(0,-2.5) 3(0,-4.5) 4(0,-7) 5(2.62,0) 6(2.62,-2.5) 7(2.62,-4.5) 8(2.62,-7)
  round 3.5 hole 2.3: 9(-2.71,3.07) 9(-2.71,-10.07) 9(2.97,3.07) 9(2.97,-10.07)
USB_A_Molex_105057_Vertical
  rect 1.3x1.3 hole 0.9: 1(0,0)
  round 1.3 hole 0.9: 2(2.5,0) 3(4.5,0) 4(7,0)
  oval 1.9x2.9 hole 1.3x2.3: 5(-3.07,0.6) 5(10.07,0.6)
  oval 2.9x1.9 hole 2.3x1.3: 5(3.5,4.78)

## Nets
5V_HDMI_VCC: C25.1 D4.1 F1.1 R15.1 R18.1
+3V3: C73.1 C75.2 C77.2 C79.1 C81.2 C83.2 C207.2 C208.2 C209.1 C210.1 D78.2 J200.A9 J200.A10 J200.B8 J200.B10 L2.2 Q1.1 Q2.1 Q3.1 R3.1 R4.1 R5.1 R50.2 R52.2 R56.2 R59.2 TP6.1
+3V3a: C101.2 C102.2 C103.2 C104.2 C404.1 C405.2 C406.2 C407.1 C408.2 C409.2 J100.2 J100.4 J100.12 J100.14 J100.16 J100.18 J100.70 J100.72 J100.74 L401.2 R102.2 R401.2
+3V3aa: C131.2 C132.2 C133.2 C134.2 C444.1 C445.2 C446.2 C447.1 C448.2 C449.2 J130.2 J130.4 J130.12 J130.14 J130.16 J130.18 J130.70 J130.72 J130.74 L441.2 R132.2 R441.2
+3V3b: C111.2 C112.2 C113.2 C114.2 C414.1 C415.2 C416.2 C417.1 C418.2 C419.2 J110.2 J110.4 J110.12 J110.14 J110.16 J110.18 J110.70 J110.72 J110.74 L411.2 R112.2 R411.2
+3V3bb: C141.2 C142.2 C143.2 C144.2 C454.1 C455.2 C456.2 C457.1 C458.2 C459.2 J140.2 J140.4 J140.12 J140.14 J140.16 J140.18 J140.70 J140.72 J140.74 L451.2 R142.2 R451.2
+3V3c: C121.2 C122.2 C123.2 C124.2 C424.1 C425.2 C426.2 C427.1 C428.2 C429.2 J120.2 J120.4 J120.12 J120.14 J120.16 J120.18 J120.70 J120.72 J120.74 L421.2 R122.2 R421.2
+3V3cc: C151.2 C152.2 C153.2 C154.2 C464.1 C465.2 C466.2 C467.1 C468.2 C469.2 J150.2 J150.4 J150.12 J150.14 J150.16 J150.18 J150.70 J150.72 J150.74 L461.2 R152.2 R461.2
+3V3d: C307.2 C308.2 C309.1 C310.1 C434.1 C435.2 C436.2 C437.1 C438.2 C439.2 J300.A9 J300.A10 J300.B8 J300.B10 L431.2 R431.2
+5V: C30.2 C32.2 C72.1 C74.2 C76.2 C78.1 C80.2 C82.2 C84.1 C88.2 D4.2 D26.1 F2.1 F3.1 F5.1 F78.1 L1.2 M1.2 R57.2 R72.1 TP5.1
+5Va: C484.1 C485.2 C486.2 C487.1 C488.2 C489.2 J82.4 L481.2 R481.2
+12V: C63.2 D15.2 D16.2 D17.2 J5.1 Q7.1 Q7.2 Q7.3 R38.2 R40.2 R44.2 TP4.1
+12VA: C85.1 C203.1 C204.1 C205.1 C206.1 C303.1 C304.1 C305.1 C306.1 D27.1 J82.1 J200.A2 J200.A3 J200.B1 J200.B2 J200.B3 J300.A2 J300.A3 J300.B1 J300.B2 J300.B3 M2.2 Q7.5 Q7.6 Q7.7 Q7.8 Q7.9 Q7.10 Q7.11 R54.1 R74.1 TP8.1
